# Altium PCB UD2 CPLD.PcbDoc (part 1 of 2)
Units mil, origin at the board's own origin, x right, y up, seen from the top; angles counter-clockwise.
Board outline 3700 x 2400 mil, 2 copper layers (Top Layer, Bottom Layer), stack 65.3 mil thick; 179 components, 89 nets, 480 pads, 189 vias.
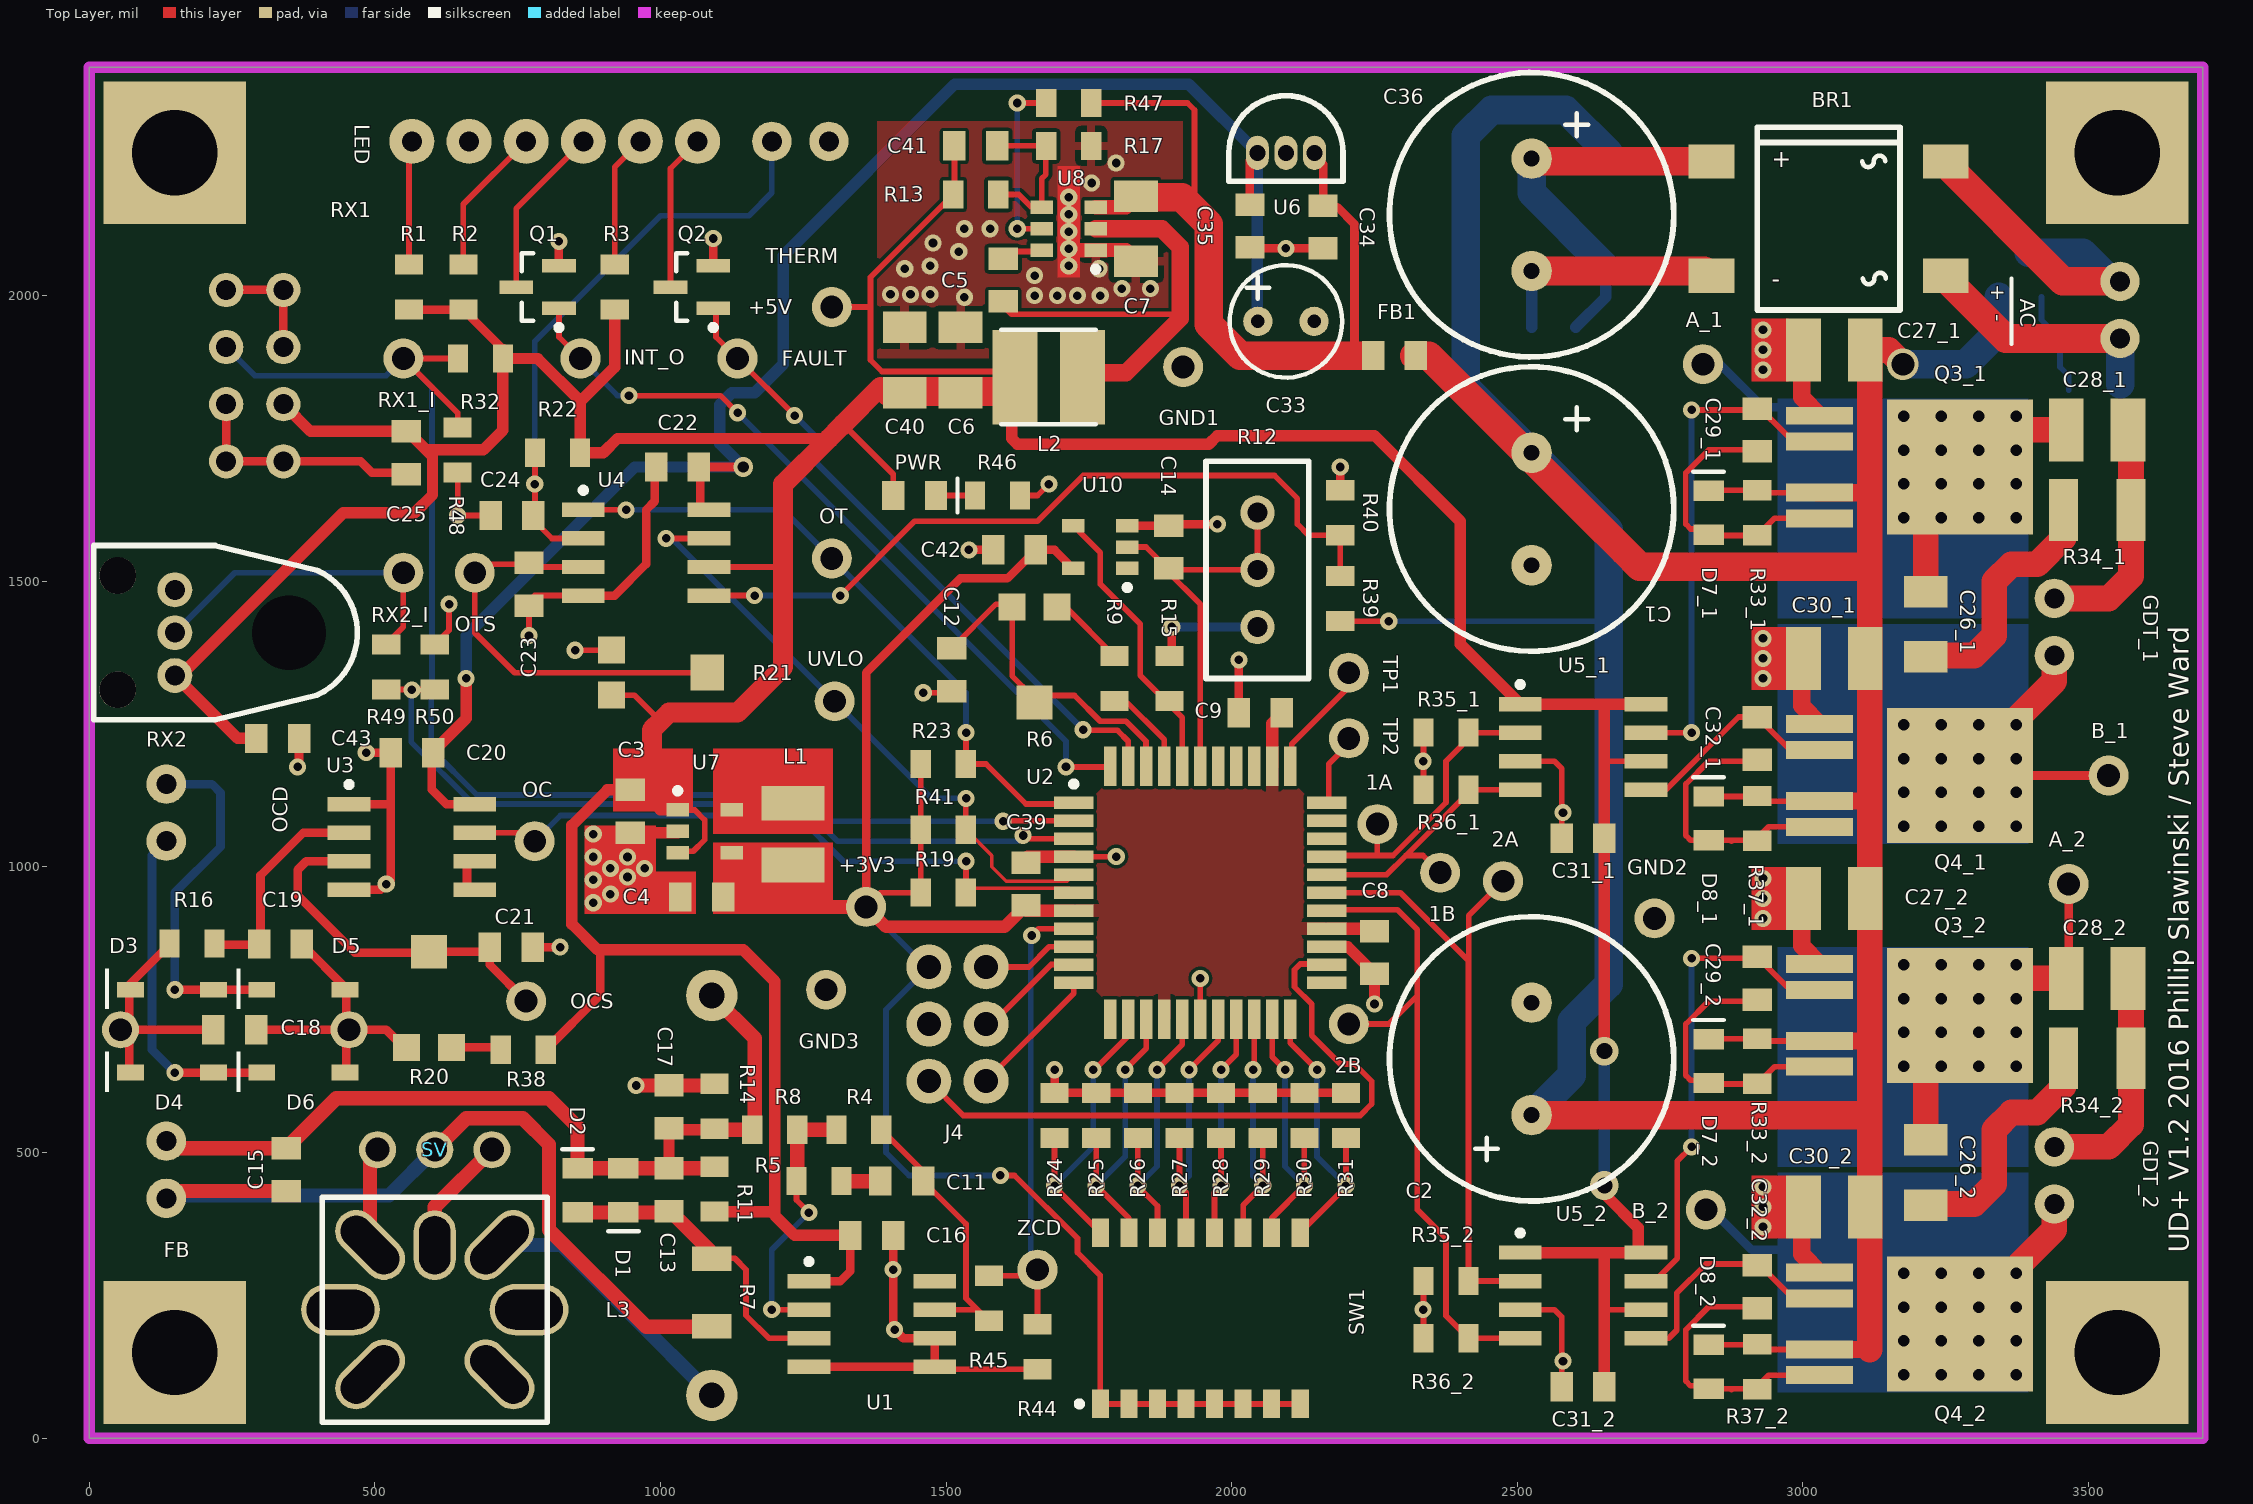
[diagram p0: Top Layer view]
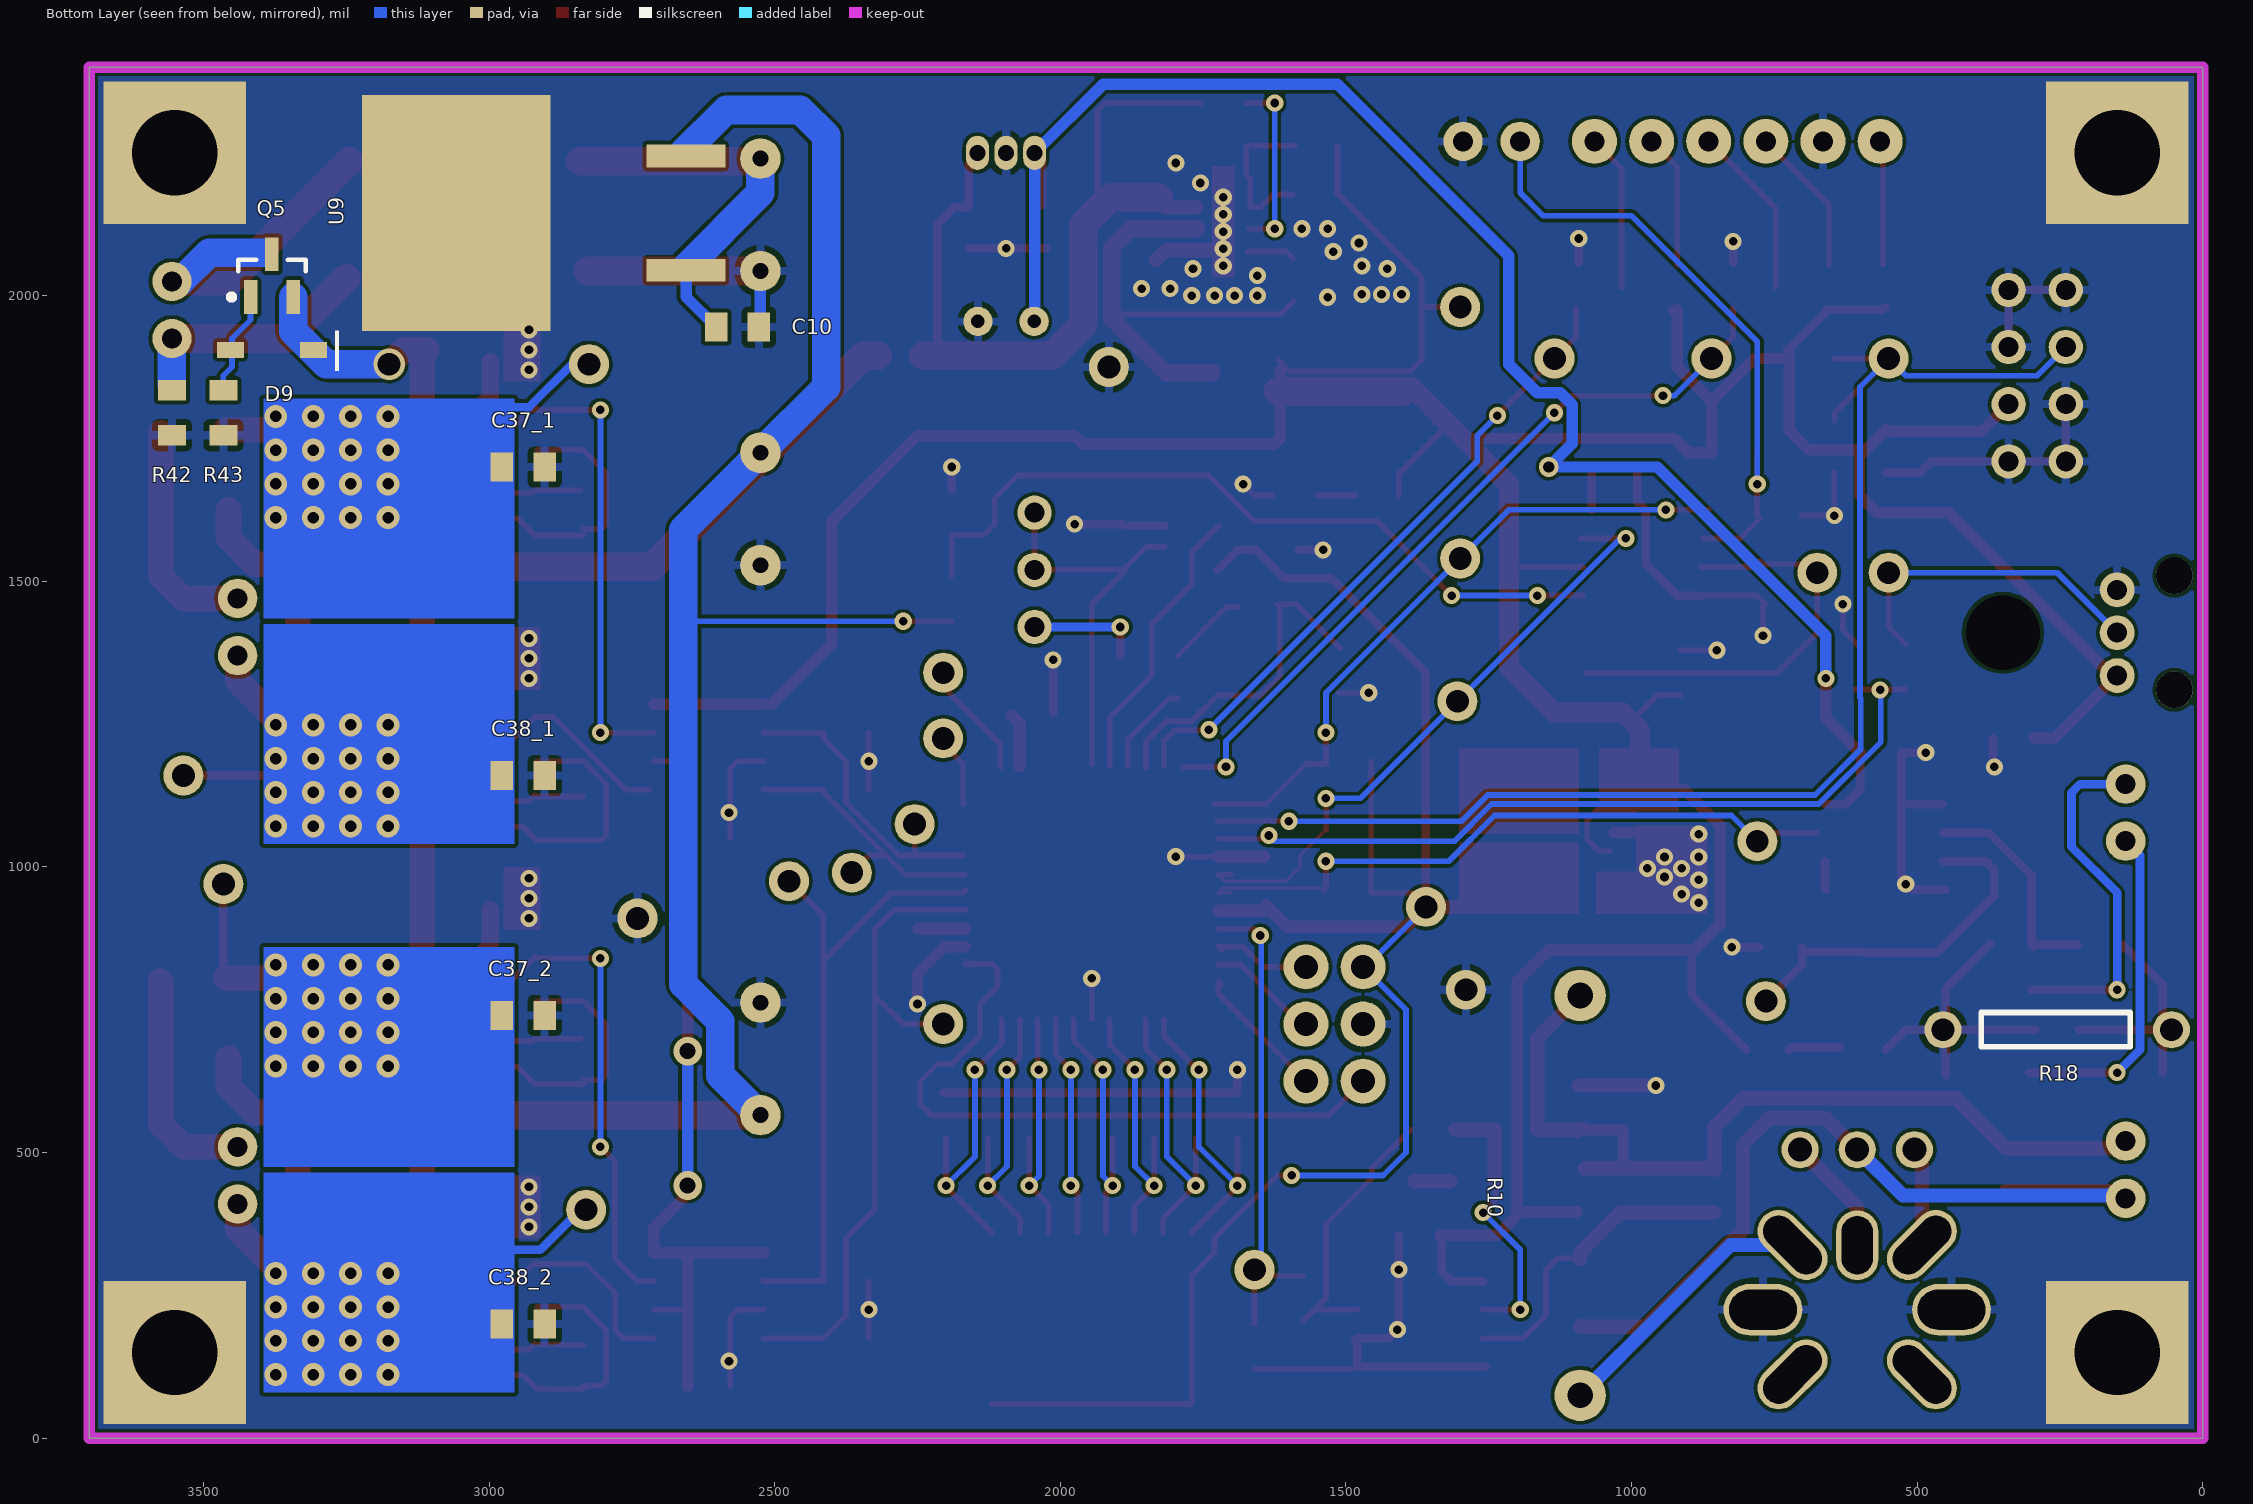
[diagram p1: Bottom Layer view, seen from below]

## Layer stack, top to bottom
Top Solder: solder mask 0.4, Solder Resist, Dk 3.5
Top Layer: signal copper 1.4
Dielectric1: core 62.5, FR-4, Dk 4.8
Bottom Layer: signal copper 1.4
Bottom Solder: solder mask 0.4, Solder Resist, Dk 3.5

## Board outline
0,0 0,2400 3700,2400 3700,0

## Design rules (kind name [scope] priority, off if disabled: settings)
Clearance MountHoles [All vs IsPad and (PadXSize_AllLayers = 200)] p1: gap=50 ignorepadtopadclearanceinfootprint=FALSE except(0: Arc-Hole Track-Hole SMDPad-Hole THPad-Hole Via-Hole Fill-Hole Poly-Hole Region-Hole Text-Hole)
Clearance [All] p2: gap=6 ignorepadtopadclearanceinfootprint=FALSE except(0: Arc-Hole Track-Hole SMDPad-Hole THPad-Hole Via-Hole Fill-Hole Poly-Hole Region-Hole Text-Hole)
HoleSize [All] p1: absolutevalues=TRUE maxlimit=150 minlimit=15 maxpercent=80.000 minpercent=20.000
MinimumAnnularRing [All] p1: minimumring=5
MinimumSolderMaskSliver [All] p1: minsoldermaskwidth=4
PlaneClearance [All] p1: clearance=30
PlaneConnect [All] p1: planeconnectstyle=Direct reliefexpansion=20 reliefentries=4 reliefconductorwidth=10 reliefairgap=10
PolygonConnect PolygonConnect_4 [InNet('+3V3') vs IsPolygon] p1: connectstyle=Relief reliefconductorwidth=21.65 reliefentries=4 polygonreliefangle="90 Angle" airgapwidth=10
PolygonConnect PolygonConnect_3 [InComponent(U9) vs InNet('GND')] p2: connectstyle=Direct reliefconductorwidth=10 reliefentries=4 polygonreliefangle="90 Angle" airgapwidth=10
PolygonConnect PolygonConnect_2 [PadXSize_AllLayers = 132.284 vs InNet('GND')] p3: connectstyle=Direct reliefconductorwidth=10 reliefentries=4 polygonreliefangle="90 Angle" airgapwidth=10
PolygonConnect PolygonConnect_1 [PadXSize_AllLayers = 250 vs InNet('GND')] p4: connectstyle=Direct reliefconductorwidth=10 reliefentries=4 polygonreliefangle="90 Angle" airgapwidth=10
PolygonConnect HeatsinkVias [IsVia vs InNet('GND')] p5: connectstyle=Direct reliefconductorwidth=10 reliefentries=4 polygonreliefangle="90 Angle" airgapwidth=10
PolygonConnect [All] p6: connectstyle=Relief reliefconductorwidth=15 reliefentries=4 polygonreliefangle="90 Angle" airgapwidth=10
RoomDefinition GD2 [InComponentClass('GD2')] p1: confinementstyle=ConfineIn formatcopy=TRUE lockcomponents=FALSE outline 2295,40 3625,40 3625,1025 2295,1025
RoomDefinition GD1 [InComponentClass('GD1')] p2: confinementstyle=ConfineIn formatcopy=TRUE lockcomponents=FALSE outline 2295,1000 3625,1000 3625,1985 2295,1985
RoutingVias [All] p1: holewidth=15 width=25 viastyle="Through Hole" minholewidth=15 minwidth=25 maxholewidth=40 maxwidth=50
SilkToSolderMaskClearance SilkscreenOverComponentPads [IsPad] p1: minsilkscreentomaskgap=10 clearancetoexposedcopper=TRUE
SolderMaskExpansion [All] p1: expansion=2.36
Width Silkscreen [OnLayer('Top Overlay')] p1: maxlimit=10 minlimit=5 preferedwidth=7
Width [All] p2: maxlimit=100 minlimit=6 preferedwidth=7 minimp=50.000000 maximp=50.000000 favimp=50.000000
25 further rules are at their usual default settings.

## Classes and differential pairs
component class GD1: A_1 B_1 C26_1 C27_1 C28_1 C29_1 C30_1 C31_1 C32_1 C33_GD1 C34_GD1 C35_GD1 C37_1 C38_1 D7_1 D8_1 GDT_1 IC3_GD1 Q3_1 Q4_1 R33_1 R34_1 R35_1 R36_1 R37_1 R38_GD1 R39_GD1 U5_1
component class GD2: A_2 B_2 C26_2 C27_2 C28_2 C29_2 C30_2 C31_2 C32_2 C33_GD2 C34_GD2 C35_GD2 C37_2 C38_2 D7_2 D8_2 GDT_2 IC3_GD2 Q3_2 Q4_2 R33_2 R34_2 R35_2 R36_2 R37_2 R38_GD2 R39_GD2 U5_2
net class B[1..2]: B1 B2
net class A[1..2]: A11 A12
component class "UD2 CPLD": 1A 1B 2A 2B +3V3 +5V AC AC1 BR1 C1 C2 C3 C4 C5 C6 C7 C8 C9 C10 C11 C12 C13 C14 C15 C16 C17 C18 C19 C20 C21 C22 C23 C24 C25 C27 C28 C33 C34 C35 C36 C39 C40 C41 C42 C43 C? D1 D2 D3 D4 D5 D6 D9 FAULT FB FB1 GND1 GND2 GND3 INT_O J1 J4 L1 L2 L3 LED MOD_IN OC OCD OCS OT OTS PWLim PWR Q1 Q2 Q5 R1 R2 R3 R4 R5 R6 R7 R8 R9 R10 R11 R12 R13 R14 R15 R16 R17 R18 R19 R20 R21 R22 R23 R24 R25 R26 R27 R28 R29 R30 R31 R32 R33 R34 R38 R39 R40 R41 R42 R43 R44 R45 R46 R47 R48 R49 R50 RX1 RX1_I RX2 RX2_I SV SW1 THERM TP1 TP2 U1 U2 U3 U4 U6 U7 U8 U9 U10 UVLO ZCD
channel class GateDriver: GD1 GD2

## Components (designator, comment, footprint, x,y, rotation, side; value= is the part's Value field where it differs from the comment)
1A "Testpoint" Keystone5002 2255,1075 r0 top
1B "Testpoint" Keystone5002 2365,990 r0 top
2A "Testpoint" Keystone5002 2475,975 r0 top
2B "Testpoint" Keystone5002 2205,725 r0 top
+3V3 "Testpoint" Keystone5004 1360,930 r0 top
+5V "Testpoint" Keystone5003 1300,1980 r0 top
A_1 "Testpoint" Keystone5002 2825,1880 r0 top (schematic designator A)
A_2 "Testpoint" Keystone5002 3465,970 r0 top (schematic designator A)
AC "22-23-2021" 22-23-2021 3555,1975 r270 top
B_1 "Testpoint" Keystone5002 3535,1160 r0 top (schematic designator B)
B_2 "Testpoint" Keystone5002 2830,400 r0 top (schematic designator B)
BR1 "DF04SA-E3/77" DFS 3045,2135 r0 top
C1 "EEU-FM1E102" "12.5mm lytic" 2525,1725 r270 top
C2 "EEU-FM1E102" "12.5mm lytic" 2525,565.61 r90 top
C3 "GRM21BR71A475KA73L" 0805C 947.4,1097.4 r270 top
C4 "GRM21BR71A106KA73L" 0805C 1072.4,947.4 r180 top
C5 "08055C104JAT2A" 0805C 1600,2027.19 r90 top
C6 "GRM31CR70J226KE19L" 1206C 1525,1887.19 r90 top
C7 "GRM31CR71E106KA12L" 1206C 1832.71,2117.19 r270 top
C8 "08055C104JAT2A" 0805C 2250,850 r90 top
C9 "08055C104JAT2A" 0805C 2050,1270 r0 top
C10 "08055C104JAT2A" 0805C 2565,1945 r180 bottom
C11 "C0805C102K5RACTU" 0805C 1422.4,450 r0 top
C12 "0805YC474KAT2A" 0805C 1510,1345 r270 top
C13 "C0805C102K5RACTU" 0805C 1015,435 r270 top
C14 "C0805C102K5RACTU" 0805C 1890,1560 r90 top
C15 "C0805C102K5RACTU" 0805C 345,470 r90 top
C16 "08055C104JAT2A" 0805C 1370,355 r180 top
C17 "CC0805KKX7R7BB105" 0805C 1015,580 r270 top
C18 "C0805C102K5RACTU" 0805C 255,715 r180 top
C19 "C0805C102K5RACTU" 0805C 335,865 r180 top
C20 "08055C104JAT2A" 0805C 565,1200 r0 top
C21 "08055C104JAT2A" 0805C 739.02,859.54 r180 top
C22 "08055C104JAT2A" 0805C 1030,1700 r0 top
C23 "08055C104JAT2A" 0805C 770,1495 r90 top
C24 "08055C104JAT2A" 0805C 740,1615 r0 top
C25 "08055C104JAT2A" 0805C 555,1725 r90 top
C26_1 "GRM31MR71H105KA88L" 1206C 3215,1425 r270 top (schematic designator C26)
C26_2 "GRM31MR71H105KA88L" 1206C 3215,465 r270 top (schematic designator C26)
C27_1 "885012209028" 1210C 3055,1905 r180 top (schematic designator C27)
C27_2 "885012209028" 1210C 3055,945 r180 top (schematic designator C27)
C28_1 "CGA6M3X7R1H225K200AB" 1210C 3515,1765 r0 top (schematic designator C28)
C28_2 "CGA6M3X7R1H225K200AB" 1210C 3515,805 r0 top (schematic designator C28)
C29_1 "08055C104JAT2A" 0805C 2920,1765 r270 top (schematic designator C29)
C29_2 "08055C104JAT2A" 0805C 2920,805 r270 top (schematic designator C29)
C30_1 "885012209028" 1210C 3055,1365 r180 top (schematic designator C30)
C30_2 "885012209028" 1210C 3055,405 r180 top (schematic designator C30)
C31_1 "CC0805KKX7R7BB105" 0805C 2615,1050 r0 top (schematic designator C31)
C31_2 "CC0805KKX7R7BB105" 0805C 2615,90 r0 top (schematic designator C31)
C32_1 "08055C104JAT2A" 0805C 2920,1225 r270 top (schematic designator C32)
C32_2 "08055C104JAT2A" 0805C 2920,265 r270 top (schematic designator C32)
C33 "SEK101M025AT" "6.3MM LYTIC" 2045.79,1955 r0 top
C34 "08055C104JAT2A" 0805C 2160,2120 r90 top
C35 "08055C104JAT2A" 0805C 2031.85,2122.09 r90 top
C36 "UVR1V102MHD" "12.5mm lytic" 2525,2240 r270 top
C37_1 "C0805C102K5RACTU" 0805C 2940,1700 r0 bottom (schematic designator C37)
C37_2 "C0805C102K5RACTU" 0805C 2940,740 r0 bottom (schematic designator C37)
C38_1 "C0805C102K5RACTU" 0805C 2940,1160 r0 bottom (schematic designator C38)
C38_2 "C0805C102K5RACTU" 0805C 2940,200 r0 bottom (schematic designator C38)
C39 "08055C104JAT2A" 0805C 1640,970 r270 top
C40 "GRM31CR70J226KE19L" 1206C 1427.71,1887.19 r90 top
C41 "CC0805JRNPO9BN820" 0805C 1552.11,2262.19 r180 top
C42 "08055C104JAT2A" 0805C 1620,1555 r0 top
C43 "08055C104JAT2A" 0805C 330,1225 r180 top
D1 "MCL4148-TR" MicroMELF 935,434.02 r90 top
D2 "MCL4148-TR" MicroMELF 855,434.02 r270 top
D3 "MBR0530" SOD-123 145,785 r180 top
D4 "MBR0530" SOD-123 145,640 r180 top
D5 "MBR0530" SOD-123 375,785 r180 top
D6 "MBR0530" SOD-123 375,640 r180 top
D7_1 "MCL4148-TR" MicroMELF 2835,1620 r270 top (schematic designator D7)
D7_2 "MCL4148-TR" MicroMELF 2835,660 r270 top (schematic designator D7)
D8_1 "MCL4148-TR" MicroMELF 2835,1085 r270 top (schematic designator D8)
D8_2 "MCL4148-TR" MicroMELF 2835,125 r270 top (schematic designator D8)
D9 "BZT52B6V2" SOD-123 3380,1905 r180 bottom
FAULT "Testpoint" Keystone5002 1135,1890 r0 top
FB "22-23-2021" 22-23-2021 135,470 r90 top
FB1 "MI0805J102R-10" 0805FB 2285,1895 r180 top
GDT_1 "22-23-2021" 22-23-2021 3440,1420 r270 top (schematic designator GDT)
GDT_2 "22-23-2021" 22-23-2021 3440,460 r270 top (schematic designator GDT)
GND1 "Testpoint" Keystone5001 1915,1875 r0 top
GND2 "Testpoint" Keystone5001 2740,910 r0 top
GND3 "Testpoint" Keystone5001 1290,785 r0 top
INT_O "Testpoint" Keystone5002 860,1890 r0 top
J4 "67996-406HLF" "2X3 Pin Header" 1470,725 r270 top
L1 "BRL3225T2R2M" 1210L 1232.4,1057.4 r270 top
L2 "SRN4012TA-4R7M" SRN4012T 1679.71,1857.19 r180 top
L3 "7M3-183" "Slot Ten" 605,225 r0 top
LED "22-23-2061" 22-23-2061 815,2270 r0 top
OC "Testpoint" Keystone5002 780,1045 r0 top
OCD "22-23-2021" 22-23-2021 135,1095 r90 top
OCS "Testpoint" Keystone5002 765,765 r0 top
OT "Testpoint" Keystone5002 1300,1540 r0 top
OTS "Testpoint" Keystone5002 675,1515 r0 top
PWR "150080GS75000" 0805LED 1445,1650 r180 top
Q1 "DMN65D8L-7" SOT23-3 785,2015 r180 top
Q2 "DMN65D8L-7" SOT23-3 1055,2015 r180 top
Q3_1 "DMC3021LK4-13" TO-252 3166.73,1700 r0 top (schematic designator Q3)
Q3_2 "DMC3021LK4-13" TO-252 3166.73,740 r0 top (schematic designator Q3)
Q4_1 "DMC3021LK4-13" TO-252 3166.73,1160 r0 top (schematic designator Q4)
Q4_2 "DMC3021LK4-13" TO-252 3166.73,200 r0 top (schematic designator Q4)
Q5 "DMP2035U-7" SOT23-3 3380,2035 r90 bottom
R1 "RC0805FR-07470RL" 0805R 560,2015 r270 top
R2 "RC0805FR-07470RL" 0805R 655,2015 r270 top
R3 "RC0805FR-07470RL" 0805R 920,2015 r270 top
R4 "RC0805FR-07100KL" 0805R 1347.4,540 r0 top
R5 "RC0805FR-07470RL" 0805R 1277.4,450 r0 top
R6 "TC33X-2-103E" 3mmTrimmer 1655,1345 r270 top
R7 "RC1206FR-071KL" 1206R 1090,255 r90 top
R8 "RC0805FR-07470RL" 0805R 1200,540 r0 top
R9 "RC0805FR-071KL" 0805R 1795,1330 r90 top
R10 "MOS2CT52R510J" 2WTHResistor 1090,425 r270 bottom
R11 "RC0805FR-071KL" 0805R 1095,435.98 r270 top
R12 "T93YA103KT20" Bourns3296 2045,1520 r90 top
R13 "RC0805FR-07100KL" 0805R 1552.11,2177.19 r180 top
R14 "RC0805FR-071KL" 0805R 1095,580.98 r270 top
R15 "RC0805FR-072K2L" 0805R 1890.98,1330 r90 top
R16 "RC0805FR-07470RL" 0805R 180,865.98 r0 top
R17 "RC0805FR-0713K7L" 0805R 1714.71,2262.19 r0 top
R18 "MFR50SFTE52-5R1" 0.5WTHResistor 455,715 r180 bottom
R19 "RC0805FR-07470RL" 0805R 1495,955 r180 top
R20 "TC33X-2-103E" 3mmTrimmer 595,794.56 r90 top
R21 "TC33X-2-103E" 3mmTrimmer 1025,1340 r0 top
R22 "RC0805FR-072K2L" 0805R 820,1725 r0 top
R23 "RC0805FR-07470RL" 0805R 1495,1180 r180 top
R24 "RC0805FR-0710KL" 0805R 1690,565 r90 top
R25 "RC0805FR-0710KL" 0805R 1762.86,565 r90 top
R26 "RC0805FR-0710KL" 0805R 1835.71,565 r90 top
R27 "RC0805FR-0710KL" 0805R 1908.57,565 r90 top
R28 "RC0805FR-0710KL" 0805R 1981.43,565 r90 top
R29 "RC0805FR-0710KL" 0805R 2054.29,565 r90 top
R30 "RC0805FR-0710KL" 0805R 2127.14,565 r90 top
R31 "RC0805FR-0710KL" 0805R 2200,565 r90 top
R32 "RC0805FR-071KL" 0805R 685,1890 r0 top
R33_1 "RC0805FR-071KL" 0805R 2920,1620 r90 top (schematic designator R33)
R33_2 "RC0805FR-071KL" 0805R 2920,660 r90 top (schematic designator R33)
R34_1 "CRCW121015R0JNEAHP" 1210R 3515,1625 r0 top (schematic designator R34)
R34_2 "CRCW121015R0JNEAHP" 1210R 3515,665 r0 top (schematic designator R34)
R35_1 "RC0805FR-071KL" 0805R 2375,1235 r0 top (schematic designator R35)
R35_2 "RC0805FR-071KL" 0805R 2375,275 r0 top (schematic designator R35)
R36_1 "RC0805FR-071KL" 0805R 2375,1135 r0 top (schematic designator R36)
R36_2 "RC0805FR-071KL" 0805R 2375,175 r0 top (schematic designator R36)
R37_1 "RC0805FR-071KL" 0805R 2920,1085 r90 top (schematic designator R37)
R37_2 "RC0805FR-071KL" 0805R 2920,125 r90 top (schematic designator R37)
R38 "RC0805FR-072K2L" 0805R 760,680 r0 top
R39 "RC0805FR-0710KL" 0805R 2190,1470 r90 top
R40 "RC0805FR-073K3L" 0805R 2190,1620 r270 top
R41 "RC0805FR-07470RL" 0805R 1495,1065 r180 top
R42 "RC0805JR-070RL" 0805R 3555,1795 r90 bottom
R43 "RC0805FR-071KL" 0805R 3465,1795 r90 bottom
R44 "RC0805FR-07470RL" 0805R 1660,160 r90 top
R45 "RC0805FR-07243RL" 0805R 1575,245 r90 top
R46 "RC0805FR-07180RL" 0805R 1590,1650 r180 top
R47 "RC0805FR-07499KL" 0805R 1714.71,2337.19 r180 top
R48 "RC0805FR-072KL" 0805R 645,1730 r90 top
R49 "RC0805FR-071KL" 0805R 520,1350 r90 top
R50 "RC0805FR-072KL" 0805R 605,1350 r270 top
RX1 "OPF2412T" OPF1412T 290,1860 r90 top
RX1_I "Testpoint" Keystone5002 550,1890 r0 top
RX2 "IF-D95T" FiberRX 150,1410 r90 top
RX2_I "Testpoint" Keystone5002 550,1515 r0 top
SV "4-103321-5" "Pin Header, 3 Pos" 605,505 r0 top
SW1 "218-8LPST" 218-8LP 1945,210 r90 top
THERM "22-23-2021" 22-23-2021 1245,2270 r0 top
TP1 "Testpoint" Keystone5002 2205,1340 r0 top
TP2 "Testpoint" Keystone5002 2205,1225 r0 top
U1 "TL3116CD" SOIC-8 1370,200 r0 top
U2 "XC2C64A-7VQG44C" TQFP44 1945,955 r0 top
U3 "LM311DR" SOIC-8 565,1035 r0 top
U4 "LM2903DR" SOIC-8 975,1550 r0 top
U5_1 "UCC27423DR" SOIC-8 2615,1210 r0 top (schematic designator U5)
U5_2 "UCC27423DR" SOIC-8 2615,250 r0 top (schematic designator U5)
U6 "LM78L15ACZ/NOPB" TO-92-SW 2095,2250 r0 top
U7 "LM3671MFX-3.3/NOPB" SOT23-5 1077.4,1062.4 r0 top
U8 "TPS54202HDDCR" SOT23-6 1714.71,2117.19 r180 top
U9 "L7824CD2T-TR" "D2PAK alt" 2655,2045 r90 bottom
U10 "74LVC1G14SE-7" SOT23-5 1770,1560 r180 top
UVLO "Testpoint" Keystone5002 1305,1290 r0 top
ZCD "Testpoint" Keystone5002 1660,295 r0 top

## Footprints (in the part's own frame and the unit in brackets; to place one, negate y for a bottom-side part, rotate by r counter-clockwise, add the part's x,y. Pads: shape width x height; smd on the part's side, far side on the other; paste and mask are expansions set on the pad)
0.5WTHResistor [mil]
  round 65 hole 40: 1(0,0) 2(400,0)
  silkscreen extent 67,-30 328,30, body extent -14,-65 414,65, height 131
2WTHResistor [mil]
  round 90 hole 45: 1(-350,0) 2(350,0)
  body extent -366,-109 366,107, height 217
"2X3 Pin Header" [mm]
  round 2 hole 1.067: 1(-2.54,0) 2(-2.54,2.54) 3(0,0) 4(0,2.54) 5(2.54,0) 6(2.54,2.54)
  body extent -3.81,-1.27 3.81,3.81, height 8.38
3mmTrimmer [mm]
  rect 1.2x1.2 smd: 1(-2.8,1) 3(-2.8,-1)
  rect 1.5x1.6 smd: 2(1.45,0)
  body extent -2.73,-1.8 1.23,1.8, height 1.13
"6.3MM LYTIC" [mm]
  round 1.3 hole 0.6: 1(0,0) 2(2.5,0)
  silkscreen extent -1.25,-2.5 3.75,2.5, body extent -1.93,-3.18 4.43,3.18, height 11.53
"12.5mm lytic" [mm]
  round 1.8 hole 0.7: 1(0,0) 2(5,0)
  silkscreen extent -3.82,-6.32 8.82,6.32, body extent -3.75,-6.25 8.75,6.21, height 20.5
22-23-2021 [mm]
  round 1.75 hole 0.889: 1(-1.27,0) 2(1.27,0)
  body extent -2.46,-3.25 2.46,3.1, height 10.58
22-23-2061 [mm]
  round 2 hole 0.889: 1(-6.35,0) 2(-3.81,0) 3(-1.27,0) 4(1.27,0) 5(3.81,0) 6(6.35,0)
  body extent -7.54,-3.25 7.54,3.1, height 10.58
218-8LP [mm]
  rect 1.27x0.76 smd: 1(-3.81,4.445) 2(-3.81,3.175) 3(-3.81,1.905) 4(-3.81,0.635) 5(-3.81,-0.635) 6(-3.81,-1.905) 7(-3.81,-3.175) 8(-3.81,-4.445) 9(3.81,-4.445) 10(3.81,-3.175) 11(3.81,-1.905) 12(3.81,-0.635) 13(3.81,0.635) 14(3.81,1.905) 15(3.81,3.175) 16(3.81,4.445)
  silkscreen extent -3.93,5.25 -3.69,5.5, body extent -4.1,-5.65 4.1,5.65, height 2.4
0805C [mm]
  rect 1x1.3 smd: 1(-0.95,0) 2(0.95,0)
  body extent -1,-0.6 1,0.67, height 0.57
0805FB [mm]
  rect 1x1.3 smd: 1(-0.95,0) 2(0.95,0)
  body extent -1,-0.6 1,0.65, height 0.85
0805LED [mm]
  rect 1x1.3 smd: 1(0.95,0) 2(-0.95,0)
  silkscreen extent -1.91,-0.76 -1.91,0.76, body extent -1,-0.6 1,0.65, height 0.7
0805R [mm]
  rect 0.9x1.25 smd: 1(-1,0) 2(1,0)
  body extent -1,-0.62 1,0.63, height 0.5
1206C [mm]
  rect 1.4x1.95 smd: 1(-1.45,0) 2(1.45,0)
  body extent -1.6,-0.8 1.6,0.8, height 0.94
1206R [mm]
  rect 1.1x1.75 smd: 1(-1.5,0) 2(1.5,0)
  body extent -1.6,-0.8 1.6,0.8, height 0.6
1210C [mm]
  rect 1.55x2.8 smd: 1(-1.375,0) 2(1.375,0)
  body extent -1.6,-1.25 1.6,1.25, height 2.5
1210L [mm]
  rect 1.55x2.8 smd: 1(-1.375,0) 2(1.375,0)
  body extent -1.6,-1.25 1.6,1.25, height 2.5
1210R [mm]
  rect 1.3x2.75 smd: 1(-1.5,0) 2(1.5,0)
  body extent -1.6,-1.25 1.6,1.25, height 0.6
Bourns3296 [mil]
  round 60 hole 35: 1(-100,0) 2(0,0) 3(100,0)
  silkscreen extent -190,-90 190,90, body extent -188,-95 188,95, height 455
"D2PAK alt" [mm]
  rect 1.016x3.504 smd: 1(-0.013,0.012) 3(5.067,0.012)
  rect 10.5x8.38 smd: 2(2.527,10.225)
  body extent -2.47,-1.49 7.53,14.18, height 4.78
DFS [mil]
  rect 80x60 smd: 1(-205,100) 2(-205,-100) 3(205,-100) 4(205,100)
  silkscreen extent -125,-160 125,160, body extent -203,-168 203,168, height 140
FiberRX [mm]
  round 1.63 hole 1.63 unplated: 0(-2.54,2.54) 0(2.54,2.54)
  round 0 hole 3.3 unplated: 0(0,-5.08)
  round 1.55 hole 0.889: 1(1.905,0) 2(0,0) 3(-1.905,0)
  silkscreen extent -3.88,-8.12 3.88,3.6, body extent -4.32,-8.27 4.32,19.45, height 8.95
Keystone5001 [mil] "Keystone 5001 Black Testpoint"
  round 70 hole 40: 1(0,0)
  body extent -50,-50 50,50, height 180
Keystone5002 [mil] "Keystone 5002 White Testpoint"
  round 70 hole 40: 1(0,0)
  body extent -50,-50 50,50, height 180
Keystone5003 [mil] "Keystone 5003 Orange Testpoint"
  round 70 hole 40: 1(0,0)
  body extent -50,-50 50,50, height 180
Keystone5004 [mil] "Keystone 5004 Yellow Testpoint"
  round 70 hole 40: 1(0,0)
  body extent -50,-50 50,50, height 180
MicroMELF [mm]
  rect 0.9x1.35 smd: A(0.975,0) K(-0.975,0)
  silkscreen extent -1.83,-0.68 -1.83,0.67, body extent -0.97,-0.57 0.97,0.57, height 1.13
OPF1412T [mil]
  round 60 hole 35: 1(-150,-50) 2(-50,-50) 3(50,-50) 4(150,-50) 5(150,50) 6(50,50) 7(-50,50) 8(-150,50)
  body extent -250,-200 250,871, height 402
"Pin Header, 3 Pos" [mil]
  round 65 hole 42: 1(-100,0) 2(0,0) 3(100,0)
  body extent -150,-57 150,57, height 335
"Slot Ten" [mil]
  oval 138.11x90 hole 70 slot 118.11 at 0 deg: 0(-165.01,0) 0(165.01,0)
  oval 142.54x74 hole 54 slot 122.54 at 135 deg rot 135: 1(-113.25,113.25) 5(113.25,-113.25)
  oval 74x122.42 hole 54 slot 102.42 at 90 deg: 2(0,112.79)
  oval 142.54x74 hole 54 slot 122.54 at 45 deg rot 45: 3(113.25,113.25) 4(-113.25,-113.25)
  silkscreen extent -197,-197 197,197, body extent -150,-150 150,150, height 514
SOD-123 [mm]
  rect 1.2x0.7 smd: A(-1.85,0) K(1.85,0)
  silkscreen extent 2.79,-0.94 2.97,0.86, body extent -1.92,-0.85 1.92,0.85, height 1.42
SOIC-8 [mm] "Tall SO-8"
  rect 1.9x0.64 smd: 1(-2.795,1.905) 2(-2.795,0.635) 3(-2.795,-0.635) 4(-2.795,-1.905) 5(2.795,-1.905) 6(2.795,-0.635) 7(2.795,0.635) 8(2.795,1.905)
  silkscreen extent -2.92,2.65 -2.67,2.9, body extent -3.05,-2.45 2.95,2.45, height 1.75
SOT23-3 [mm] "SOT23, 3-Leads, Body 2.90x2.45mm, Pitch 0.95mm, IPC Medium Density"
  rect 1.5x0.6 smd: 1(-0.95,0.95) 2(0.95,0) 3(-0.95,-0.95)
  silkscreen extent -1.08,-1.5 0.7,1.92, body extent -1.4,-1.45 1.4,1.45, height 1.3
SOT23-5 [mm]
  rect 1x0.6 smd: 1(-1.2,0.95) 2(-1.2,0) 3(-1.2,-0.95) 4(1.2,-0.95) 5(1.2,0.95)
  silkscreen extent -1.32,1.68 -1.07,1.92, body extent -1.6,-1.47 1.6,1.43, height 0.94
SOT23-6 [mm]
  rect 1x0.6 smd: 1(-1.2,0.95) 2(-1.2,0) 3(-1.2,-0.95) 4(1.2,-0.95) 5(1.2,0) 6(1.2,0.95)
  silkscreen extent -1.33,1.68 -1.08,1.92, body extent -1.2,-1.45 1.2,1.45, height 1.08
SRN4012T [mm]
  rect 2x4.2 smd: 1(-1.5,0) 2(1.5,0)
  silkscreen extent -2.1,-2.1 2.1,2.1, body extent -2.01,-2.01 2.01,2.01, height 1.2
TO-92-SW [mil]
  oval 40x60 hole 28: 1(-50,0) 2(0,0) 3(50,0)
  silkscreen extent -100,-50 100,100, body extent -98,-52 98,100, height 335
TO-252 [mm] "D-PAK, 5-Pads, Body 6.2x6.7mm (max), IPC Medium Density"
  rect 3x0.8 smd: 1(-3.5,2.28) 2(-3.5,1.14) 4(-3.5,-1.14) 5(-3.5,-2.28)
  rect 6.5x6 smd: 3(2.75,0)
  body extent -4.44,-3.25 5.46,3.25, height 2.3
TQFP44 [mm]
  rect 1.75x0.55 smd: 1(-5.625,4) 2(-5.625,3.2) 3(-5.625,2.4) 4(-5.625,1.6) 5(-5.625,0.8) 6(-5.625,0) 7(-5.625,-0.8) 8(-5.625,-1.6) 9(-5.625,-2.4) 10(-5.625,-3.2) 11(-5.625,-4) 23(5.625,-4) 24(5.625,-3.2) 25(5.625,-2.4) 26(5.625,-1.6) 27(5.625,-0.8) 28(5.625,0) 29(5.625,0.8) 30(5.625,1.6) 31(5.625,2.4) 32(5.625,3.2) 33(5.625,4)
  rect 0.55x1.75 smd: 12(-4,-5.625) 13(-3.2,-5.625) 14(-2.4,-5.625) 15(-1.6,-5.625) 16(-0.8,-5.625) 17(0,-5.625) 18(0.8,-5.625) 19(1.6,-5.625) 20(2.4,-5.625) 21(3.2,-5.625) 22(4,-5.625) 34(4,5.625) 35(3.2,5.625) 36(2.4,5.625) 37(1.6,5.625) 38(0.8,5.625) 39(0,5.625) 40(-0.8,5.625) 41(-1.6,5.625) 42(-2.4,5.625) 43(-3.2,5.625) 44(-4,5.625)
  silkscreen extent -5.75,4.7 -5.5,4.95, body extent -6,-6 6,6, height 1.1

## Part data
AC FB GDT_1 GDT_2 OCD THERM: "CONN HEADER 2POS .100 VERT TIN", Digikey Part=WM4200-ND, Mouser Part=538-22-23-2021
BR1: "DIODE GPP 1A 400V 4SMD", Digikey Part=DF04SA-E3/77GICT-ND, Mouser Part=625-DF04SA-E3
C1 C2: library part "Electrolytic Capacitor", "CAP ALUM 1000UF 20% 25V RADIAL", Capacitance=1000uF, Voltage=25V, Digikey Part=P12379-ND, Mouser Part=667-EEU-FM1E102
C3: library part Capacitor, "CAP CER 4.7UF 10V X7R 0805", Capacitance=4.7uF, Package=0805, Voltage=10V, Digikey Part=490-6480-1-ND, Material=X7R, Mouser Part=81-GRM21BR71A475KA73
C4: library part Capacitor, "CAP CER 10UF 10V X7R 0805", Capacitance=10uF, Package=0805, Voltage=10V, Digikey Part=490-10516-1-ND, Material=X7R, Mouser Part=81-GRM21BR71A106KA3L
C5 C8 C9 C10 C16 C20 C21 C22 C23 C24 C25 C29_1 C29_2 C32_1 C32_2 C34 C35 C39 C42 C43: library part Capacitor, "CAP CER 0.1UF 50V X7R 0805", Capacitance=0.1uF, Package=0805, Voltage=50V, Digikey Part=478-3352-1-ND, Material=X7R, Mouser Part=581-08055C104J
C6 C40: library part Capacitor, "CAP CER 22UF 6.3V X7R 1206", Capacitance=22uF, Package=1206, Voltage=6.3V, Digikey Part=490-6515-1-ND, Material=X7R, Mouser Part=81-GRM31CR70J226KE9L
C7: library part Capacitor, "CAP CER 10UF 25V X7R 1206", Capacitance=10uF, Package=1206, Voltage=25V, Digikey Part=1276-1804-1-ND, Material=X7R, Mouser Part=81-GRM31CR71E106KA12
C11 C13 C14 C15 C18 C19 C37_1 C37_2 C38_1 C38_2: library part Capacitor, "CAP CER 1000PF 50V X7R 0805", Capacitance=1nF, Package=0805, Voltage=50V, Digikey Part=399-1147-1-ND, Material=X7R, Mouser Part=80-C0805C102K5R
C12: library part Capacitor, "CAP CER 0.47UF 16V X7R 0805", Capacitance=0.47uF, Package=0805, Voltage=16V, Digikey Part=478-1403-1-ND, Material=X7R, Mouser Part=581-080516C474K
C17 C31_1 C31_2: library part Capacitor, "CAP CER 1UF 16V X7R 0805", Capacitance=1uF, Package=0805, Tolerance=10%, Voltage=16V, Digikey Part=311-1365-1-ND, Material=X7R, Mouser Part=603-CC805KKX7R7BB105
C26_1 C26_2: library part Capacitor, "CAP CER 1UF 50V X7R 1206", Capacitance=1uF, Package=1206, Tolerance=10%, Voltage=50V, Digikey Part=490-6527-1-ND, Material=X7R, Mouser Part=81-GRM31MR71H105KA88
C27_1 C27_2 C30_1 C30_2: library part Capacitor, "CAP CER 10UF 25V X7R 1210", Capacitance=10uF, Package=1210, Voltage=25V, Digikey Part=732-7729-1-ND, Material=X7R, Mouser Part=710-885012207094
C28_1 C28_2: library part Capacitor, "CAP ALUM 100UF 20% 16V RADIAL", Capacitance=2.2uF, Package=1210, Tolerance=10%, Voltage=50V, Digikey Part=445-5715-1-ND, Material=X7R, Mouser Part=810-CGA6M3X7R1H225K
C33: library part "Electrolytic Capacitor", "CAP ALUM 100UF 20% 16V RADIAL", Capacitance=100uF, Voltage=16V, Digikey Part=399-6545-ND, Mouser Part=598-SEK101M025AT
C36: library part "Electrolytic Capacitor", "CAP ALUM 1000UF 20% 35V RADIAL", Capacitance=1000uF, Voltage=35V, Digikey Part=493-1085-ND, Mouser Part=647-UVR1V102MHD
C41: library part Capacitor, "CAP CER 82PF 50V NPO 0805", Capacitance=82pF, Package=0805, Voltage=25V, Digikey Part=311-1110-1-ND, Material=X7R, Mouser Part=603-CC805JRNPO9BN820
D1 D2 D7_1 D7_2 D8_1 D8_2: library part 1N4148, "DIODE GEN 75V 150MA MICROMELF", Digikey Part=MCL4148CT-ND, Mouser Part=78-MCL4148
D3 D4 D5 D6: library part SchottkyDiode, "DIODE SCHOTTKY 30V 500MA SOD123", Digikey Part=MBR0530CT-ND, Mouser Part=512-MBR0530
D9: library part Zener, "DIODE ZENER 6.2V 500MW SOD123", Digikey Part=BZT52C6V2-FDICT-ND, Mouser Part=821-BZT52B6V2
FB1: library part FerriteBead, "FERRITE BEAD 1 KOHM 0805 1LN", Digikey Part=240-2551-1-ND, Mouser Part=875-MI0805J102R-10
J4: library part M20-9980345, "CONN HEADER 6POS .100 STR TIN", Digikey Part=609-3218-ND, Mouser Part=649-67996-406HLF
L1: library part Inductor, "FIXED IND 2.2UH 1.6A 78 MOHM SMD", Inductance=2.2uH, Digikey Part=587-2165-1-ND, Mouser Part=963-BRL3225T2R2M
L2: library part Inductor, "FIXED IND 4.7UH 1.5A 95 MOHM SMD", Inductance=4.7uH, Digikey Part=SRN4012TA-4R7MCT-ND, Mouser Part=652-SRN4012TA-4R7M
L3: library part "Slot Ten-5-09"
LED: "CONN HEADER 6POS .100 VERT TIN", Digikey Part=WM4204-ND, Mouser Part=538-22-23-2061
PWR: library part LED, "LED GREEN CLEAR 0805 SMD", Digikey Part=732-4983-1-ND, Mouser Part=710-150080GS75000
Q1 Q2: library part NPNFET, "MOSFET N-CH 60V 310mA SOT23", Digikey Part=DMN65D8L-7DICT-ND, Mouser Part=621-DMN65D8L-7
Q3_1 Q3_2 Q4_1 Q4_2: library part FDD8424H, "MOSFET N/P-CH 30V TO252-4L", Digikey Part=FDD8424HCT-ND, Mouser Part=512-FDD8424H
Q5: library part PNPFET, "MOSFET P-CH 20V 3.6A SOT-23", Digikey Part=DMP2035U-7DICT-ND, Mouser Part=621-DMP2035U-7
R1 R2 R3 R5 R8 R16 R19 R23 R41 R44: library part Resistor, "RES SMD 470 OHM 1% 1/8W 0805", Package=0805, Power=0.125W, Resistance=470, Tolerance=1%, Digikey Part=311-470CRCT-ND, Mouser Part=603-RC0805FR-07470RL
R4 R13: library part Resistor, "RES SMD 100K OHM 1% 1/8W 0805", Package=0805, Power=0.125W, Resistance=100k, Tolerance=1%, Digikey Part=311-100KCRCT-ND, Mouser Part=603-RC0805FR-07100KL
R6 R20 R21: library part Potentiometer, "TRIMMER 10K OHM 0.1W SMD", Resistance=10k, Digikey Part=TC33X-103ECT-ND, Mouser Part=72-T93YA-10K
R7: library part Resistor, "RES SMD 1K OHM 1% 1/4W 1206", Package=1206, Power=0.25W, Resistance=1k, Tolerance=1%, Digikey Part=311-1.00KFRCT-ND, Mouser Part=603-RC1206FR-071KL
R9 R11 R14 R32 R33_1 R33_2 R35_1 R35_2 R36_1 R36_2 R37_1 R37_2 R43 R49: library part Resistor, "RES SMD 1K OHM 1% 1/8W 0805", Package=0805, Power=0.125W, Resistance=1k, Tolerance=1%, Digikey Part=311-1.00KCRCT-ND, Mouser Part=603-RC0805FR-071KL
R10: library part Resistor, "RES 51 OHM 2W 5% AXIAL", Power=2W, Resistance=51, Tolerance=5%, Digikey Part=PPC51W-2CT-ND, Mouser Part=660-MOS2CT52R510J
R12: library part Potentiometer, "TRIMMER 10K OHM 0.5W TH", Resistance=10k, Digikey Part=T93YA-10K-ND, Mouser Part=72-T93YA-10K
R15 R22 R38: library part Resistor, "RES SMD 2.2K OHM 1% 1/8W 0805", Package=0805, Power=0.125W, Resistance=2.2k, Tolerance=1%, Digikey Part=311-2.20KCRCT-ND, Mouser Part=603-RC0805FR-072K2L
R17: library part Resistor, "RES SMD 13.7K OHM 1% 1/8W 0805", Package=0805, Power=0.125W, Resistance=13.7k, Tolerance=1%, Digikey Part=311-13.7KCRCT-ND, Mouser Part=603-RC0805FR-0713K7L
R18: library part Resistor, "RES 5.1 OHM 1/2W 5% AXIAL", Power=0.5W, Resistance=5.1, Tolerance=5%, Digikey Part=5.1H-ND, Mouser Part=603-MFR50SFTE52-5R1
R24 R25 R26 R27 R28 R29 R30 R31 R39: library part Resistor, "RES SMD 10K OHM 1% 1/8W 0805", Package=0805, Power=0.125W, Resistance=10k, Tolerance=1%, Digikey Part=311-10.0KCRCT-ND, Mouser Part=603-RC0805FR-0710KL
R34_1 R34_2: library part Resistor, "RES SMD 15 OHM 5% 3/4W 1210", Package=1210, Power=750mW, Resistance=15, Tolerance=5%, Digikey Part=541-15.0DCT-ND, Mouser Part=71-CRCW121015R0JNEAH
R40: library part Resistor, "RES SMD 2.2K OHM 1% 1/8W 0805", Package=0805, Power=0.125W, Resistance=3.3k, Tolerance=1%, Digikey Part=311-3.30KCRCT-ND, Mouser Part=603-RC0805FR-073K3L
R42: library part Resistor, "RES SMD 0.0 OHM JUMPER 1/8W 0805", Package=0805, Power=0.125W, Resistance=0R, Digikey Part=311-0.0ARCT-ND, Mouser Part=603-RC0805JR-070RL
R45: library part Resistor, "RES SMD 243 OHM 1% 1/8W 0805", Package=0805, Power=0.125W, Resistance=243, Tolerance=1%, Digikey Part=311-243CRCT-ND, Mouser Part=603-RC0805FR-07243RL
R46: library part Resistor, "RES SMD 180 OHM 1% 1/8W 0805", Package=0805, Power=0.125W, Resistance=180, Tolerance=1%, Digikey Part=311-180CRCT-ND, Mouser Part=603-RC0805FR-07180RL
R47: library part Resistor, "RES SMD 499K OHM 1% 1/8W 0805", Package=0805, Power=0.125W, Resistance=499k, Tolerance=1%, Digikey Part=311-499KCRCT-ND, Mouser Part=603-RC0805FR-07499KL
R48 R50: library part Resistor, "RES SMD 2K OHM 1% 1/8W 0805", Package=0805, Power=0.125W, Resistance=2k, Tolerance=1%, Digikey Part=311-2.00KCRCT-ND, Mouser Part=603-RC0805FR-072KL
RX1: "RECEIVER FIBER OPTIC 5MB ST", Digikey Part=365-1834-ND, Mouser Part=828-OPF2412T
RX2: "DETECTOR PHOTOLOGIC TTL/CMOS", Digikey Part=FB123-ND
SV: library part "Pin Header 3 Pos", "CONN HEADER 3 POS 2.54", Digikey Part=732-5316-ND, Mouser Part=571-4-103321-5
SW1: library part 209-8LPST, "SWITCH SLIDE DIP SPST 25MA 24V", Digikey Part=CT2188LPST-ND, Mouser Part=710-61300311121
U1: "IC ULTRA-FAST COMP 8-SOIC", Digikey Part=296-6626-5-ND, Mouser Part=595-TL3116CD
U2: library part XC2C64A, "IC CPLD 64MC 6.7NS 44VQFP", Digikey Part=122-1410-ND
U3: library part LM311D, "IC DIFF COMP STROBE 8-SOIC", Digikey Part=296-1388-1-ND, Mouser Part=595-LM311DR
U4: library part TL082, "IC DUAL DIFF COMP 8-SOIC", Digikey Part=296-1012-1-ND, Mouser Part=595-LM2903DR
U5_1 U5_2: library part UCC27423D, "IC DRIVER MOSFET 1.5A DUAL 8SOIC", Digikey Part=296-41798-1-ND, Mouser Part=595-UCC27423DR
U6: library part L78Lxx, "IC REG LDO 15V 0.1A TO92-3", Digikey Part=LM78L15ACZ/NOPB-ND, Mouser Part=926-LM78L15ACZ/NOPB
U7: library part LM3671, "IC REG BUCK 3.3V 0.6A SYNC SOT23", Digikey Part=LM3671MF-3.3/NOPBCT-ND, Mouser Part=926-LM3671MFX33NOPB
U8: "Buck Switching Regulator IC Positive Adjustable 0.596V 1 Output 2A SOT-23-6 Thin, TSOT-23-6", Digikey Part=296-44396-1-ND, Mouser Part=595-TPS54202HDDCR
U9: library part LM7824
U10: "Inverter IC 1 Channel Schmitt Trigger SOT-353", Digikey Part=74LVC1G14SE-7CT-ND, Mouser Part=621-74LVC1G14SE-7
1A 1B 2A 2B A_1 A_2 B_1 B_2 FAULT INT_O OC OCS OT OTS RX1_I RX2_I TP1 TP2 UVLO ZCD: Digikey Part=36-5002-ND, Mouser Part=534-5002
+3V3: Digikey Part=36-5004-ND, Mouser Part=534-5004
+5V: Digikey Part=36-5003-ND, Mouser Part=534-5003
GND1 GND2 GND3: Digikey Part=36-5001-ND, Mouser Part=534-5001

## Free pads (board coordinates)
  rect 250x250 hole 149.5: 0(150,150) 0(150,2250) 0(3550,150) 0(3550,2250)

## Via types
v1: diameter 30, hole 15, Top Layer to Bottom Layer, tented both sides, 121 vias
v2: diameter 40, hole 20, Top Layer to Bottom Layer, tented both sides, 64 vias
v3: diameter 50, hole 28, Top Layer to Bottom Layer, 2 vias
v4: diameter 55, hole 40, Top Layer to Bottom Layer, 1 vias
v5: diameter 35, hole 20, Top Layer to Bottom Layer, tented both sides, 1 vias

## Nets (pads, with @x,y where several pads share a name; then routed paths per layer and width w, separated by ;. In a path a pad name is that pad's centre, name@x,y a point inside that pad or via, vN(x,y) a via of type N, cw(c..) or ccw(c..) an arc to the next point about the centre after c; other vN are vias at no path point)
+3V3: +3V3.1 C4.1 C8.2 C9.2 C39.2 C42.2 J4.1 L1.2 R19.2 R23.2 R41.2 SW1.1 SW1.2 SW1.3 SW1.4 SW1.5 SW1.6 SW1.7 SW1.8 U2.7 U2.15 U2.26 U2.35 U7.4 U10.5 | length 3487.2
  Top Layer w10: +3V3.1@1360,930 1385,955 R19.2@1455.63,955 ; R19.2@1455.63,960 R41.2@1455.63,1065 R23.2@1455.63,1180 R23.2@1455.63,1184.37 ; v1(1595,460) 1620,460 1730,350 1730,325 1770,285 SW1.1@1770,60 SW1.2@1820,60 SW1.3@1870,60 SW1.4@1920,60 SW1.5@1970,60 SW1.6@2020,60 SW1.7@2070,60 SW1.8@2120,60
  Top Layer w15: +3V3.1@1360,930 1360,1340 1525,1505 1607.4,1505 C42.2@1657.4,1555 1690,1555 U10.5@1725,1520
  Top Layer w21.65: +3V3.1@1360,930 1395,895 1602.4,895 C39.2@1640,932.6 ; C39.2@1641.5,923.5 U2.7@1723.54,923.5 ; U2.35@2070.98,1176.46 2070.98,1250.98 C9.2@2085,1265 ; U2.26@2166.46,892.01 C8.2@2247.99,892.01
  Top Layer w25: 1215,930 +3V3.1@1360,930
  Bottom Layer w10: +3V3.1@1360,930 J4.1@1467.5,822.5 ; J4.1@1470,820 J4.1@1467.5,822.5 ; J4.1@1470,825 J4.1@1467.5,822.5 ; v1(1595,460) 1435,460 1395,500 1395,750 J4.1@1467.5,822.5